# Altium PCB m-BLANC.PcbDoc (part 10 of 15) (continued)
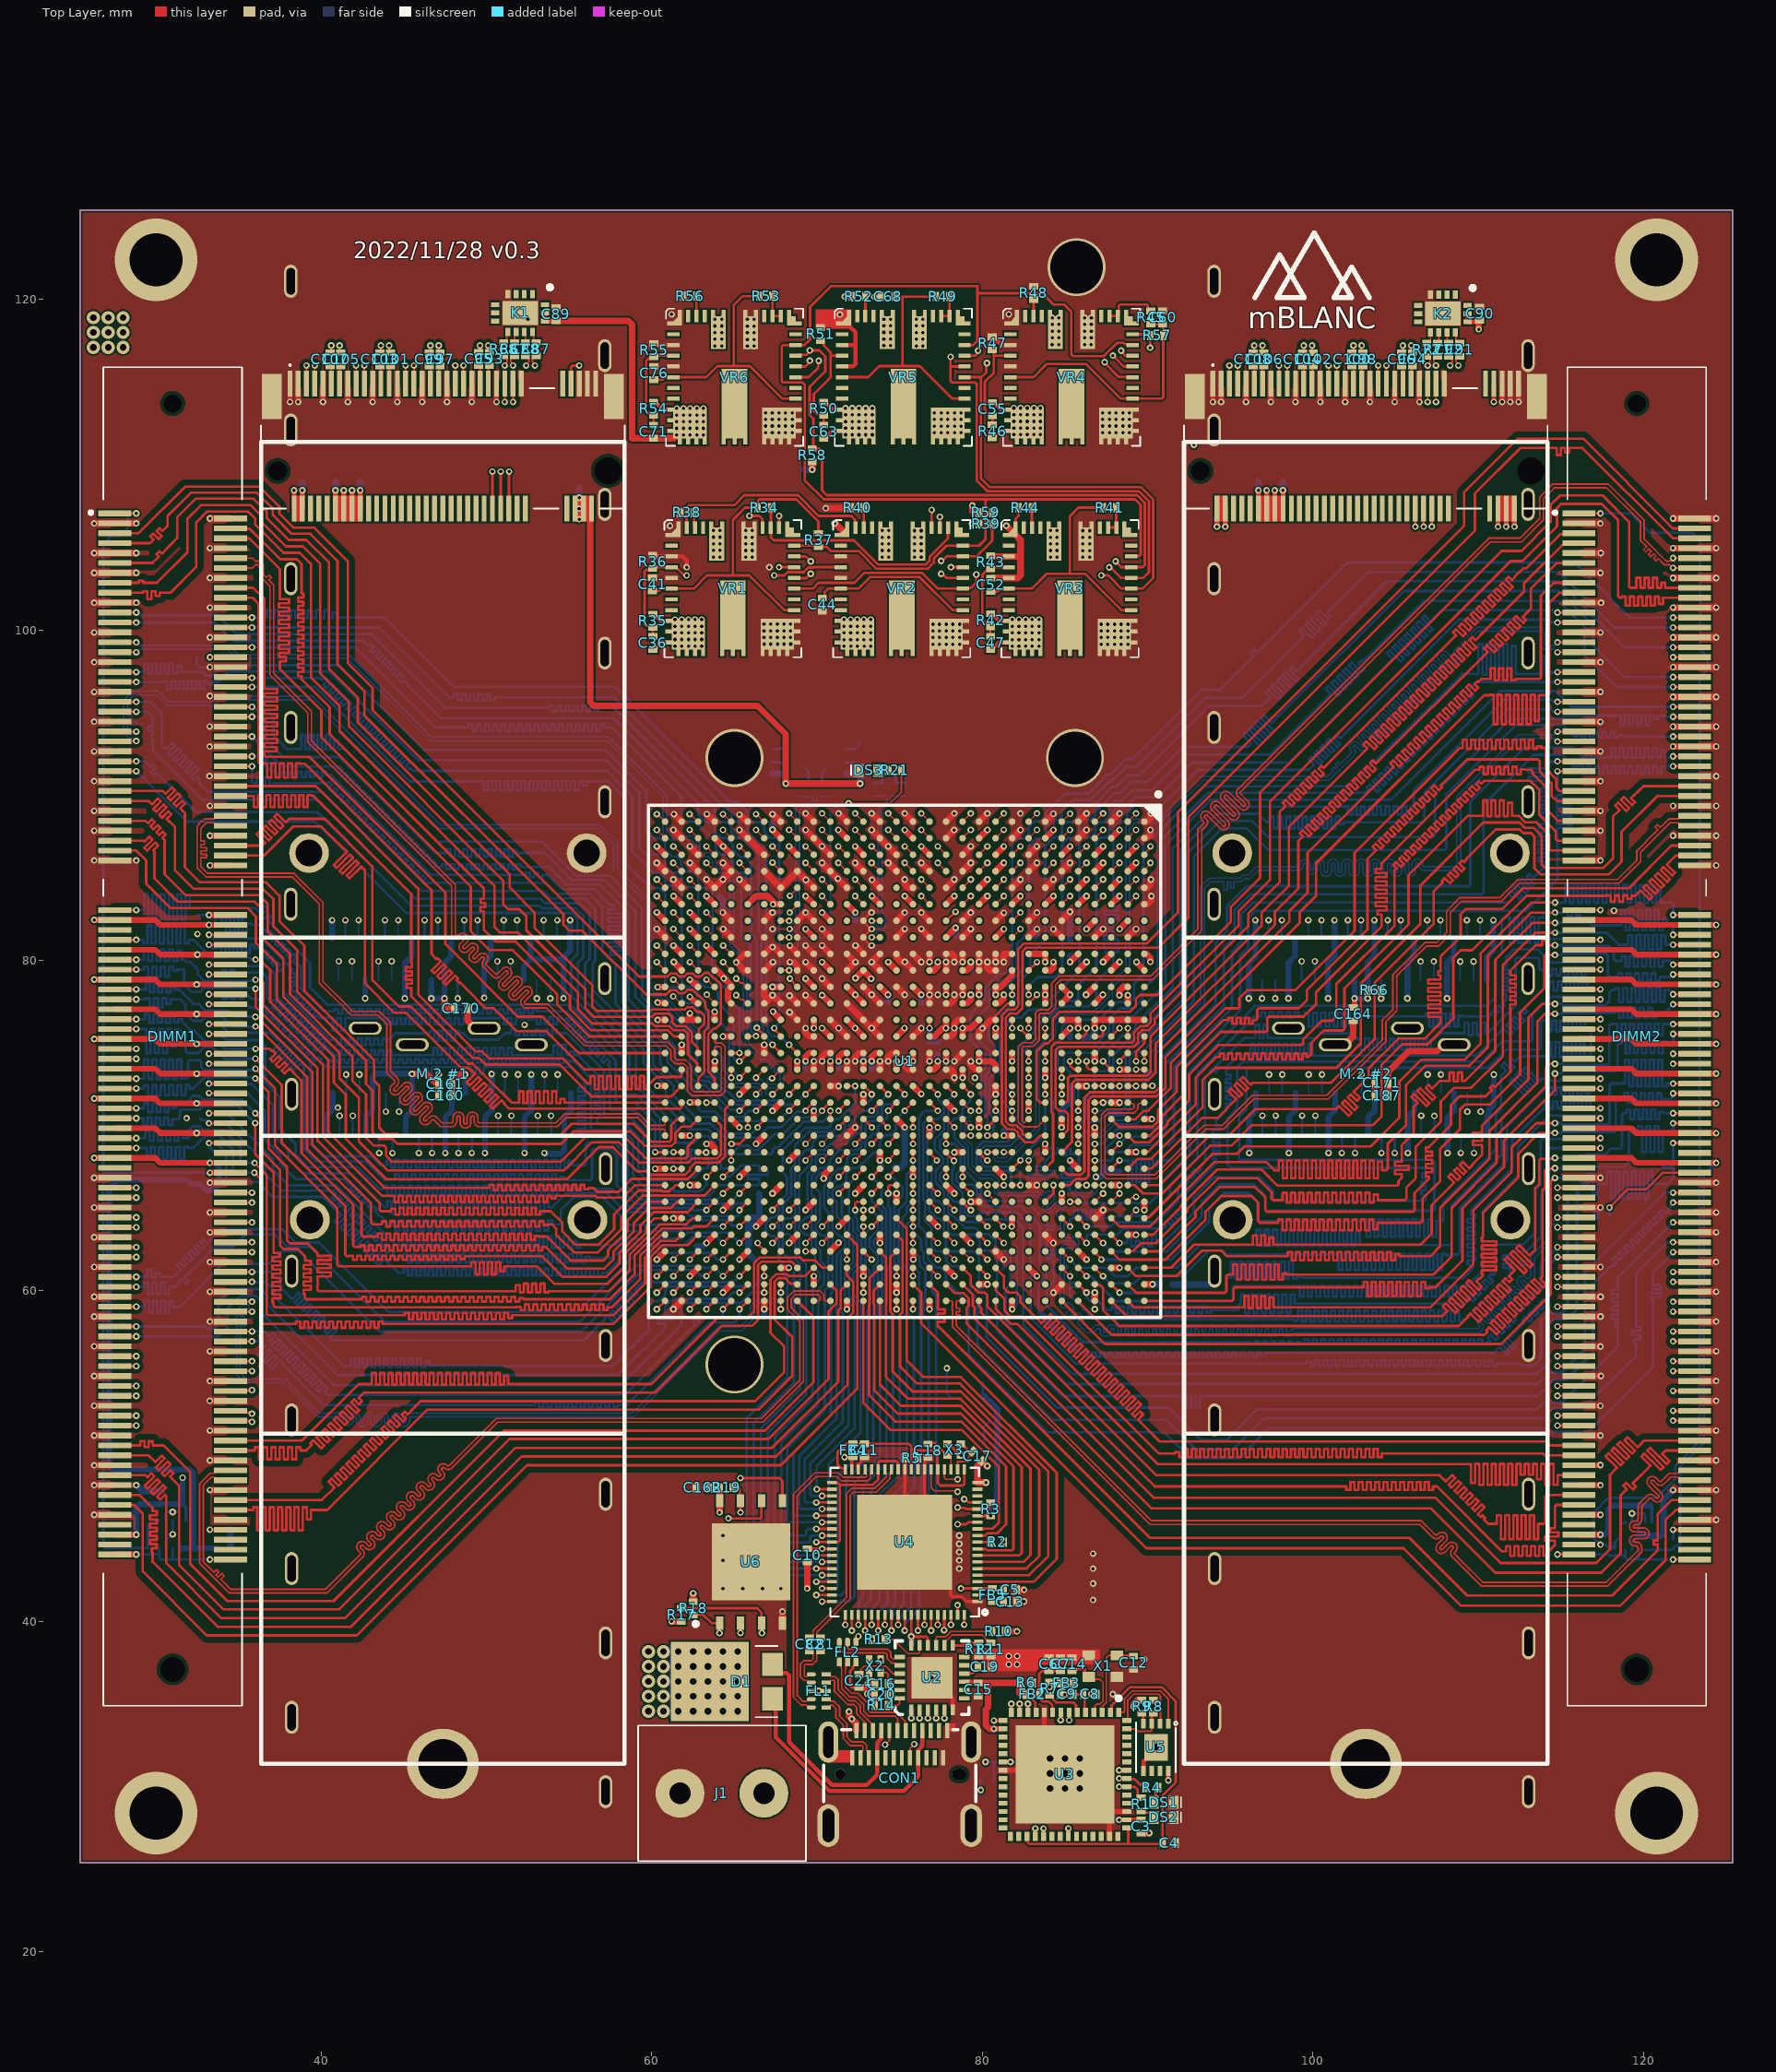
[diagram p0: Top Layer view]
## Nets (pads, with @x,y where several pads share a name; then routed paths per layer and width w, separated by ;. In a path a pad name is that pad's centre, name@x,y a point inside that pad or via, vN(x,y) a via of type N, cw(c..) or ccw(c..) an arc to the next point about the centre after c; other vN are vias at no path point) (continued)
  InLayer4 (GND) w0.15: v1(62.1,103.8) v1(67.1,103.8)
  Bottom Layer w0.15: U7.4@30.6,44.425 30.6,44.9 31,45.3 U7.8@31,46.125 ; R27.2@32.453,98.355 32.457,98.351 32.457,97.943 32.65,97.75 v1(33.25,97.75) ; v1@33.222,66.55 v1(33.25,66.55) ; v1(40.648,82.438) v1@40.649,82.437 ; 40.649,81.321 40.65,81.32 ; C142.1@66.1,61.9 C142.1@66.1,61.975 ; 66.513,64.443 66.558,64.398 ; C25.1@81.219,61.304 81.3,61.385 v1(81.3,61.9) ; C173.1@81.225,69.786 C173.1@81.3,69.711 ; v1(81.8,58.9) 82.084,59.184 82.084,62.646 81.959,62.771 C145.1@81.91,62.771 ; C182.1@83.208,81.384 C182.1@83.208,81.408 ; C129.1@85.3,81.19 C129.1@85.353,81.136 ; C172.1@87.404,67.493 C172.1@87.479,67.493 ; v1(101.3,82.44) v1@101.31,82.43 ; 101.31,81.33 101.32,81.32 ; U8.4@119.312,44.338 119.312,44.813 119.688,45.188 U8.11@119.712,45.188 U8.8@119.712,46.038
  Bottom Layer w0.35: 40.3,69.48 40.3,70.6 40.7,71 40.7,71.98 ; 40.649,81.321 v1@40.649,82.437 ; v1(42.65,77.7) 42.65,78.82 ; 42.7,69.48 42.7,70.205 42.7,70.52 43.1,70.92 43.1,72.95 43.305,73.155 45.441,73.155 45.463,73.133 v1(45.477,73.133) 45.477,73.119 45.5,73.096 45.5,71.98 45.5,70.92 45.1,70.52 45.1,69.48 ; v1(45.05,77.7) 45.05,78.82 45.05,79.86 45.45,80.26 45.45,81.32 ; v1(49.85,77.736) 49.85,78.82 49.85,79.86 50.25,80.26 50.25,81.32 ; v1(49.9,68.35) 49.9,69.48 ; 49.9,69.48 49.9,70.52 50.3,70.92 50.3,71.98 v1@50.3,73.124 ; 52.25,78.82 52.25,79.654 52.773,80.177 ; v1(52.3,68.35) 52.3,69.48 52.3,70.52 52.7,70.92 52.7,71.98 v1(52.7,73.1) ; 52.65,81.32 52.65,80.3 52.877,80.072 54.65,80.072 ; v1(53.5,68.35) 53.514,68.35 53.56,68.304 54.495,68.304 54.7,68.509 54.7,70.52 55.1,70.92 55.1,71.98 ; v1(54.65,77.711) 54.65,78.82 54.65,80.193 55.05,80.593 v1(55.05,82.44) ; C22.1@62.678,62.696 63.096,62.696 v1(63.3,62.9) ; C182.1@83.208,81.408 83.3,81.5 v1(83.3,81.9) ; C129.1@85.3,81.19 v1(85.3,82.944) ; v1(96.12,77.7) 96.12,78.82 96.12,79.86 96.52,80.26 96.52,81.32 v1(96.52,82.44) ; v1(96.15,68.35) 96.15,69.48 96.15,70.52 96.55,70.92 96.55,71.98 ; v1(98.52,77.7) 98.52,78.82 98.52,79.86 98.92,80.26 98.92,81.32 ; v1(98.55,68.35) 98.55,69.48 98.55,70.52 98.95,70.92 98.95,71.98 ; 100.91,78.83 100.91,79.87 101.31,80.27 101.31,81.33 v1@101.31,82.43 ; v1(100.92,77.7) 100.92,78.82 ; v1(100.95,68.35) 100.95,69.48 100.95,70.52 101.35,70.92 101.35,71.98 ; v1(105.72,77.7) 105.72,78.82 105.72,79.86 106.12,80.26 106.12,81.32 ; v1(105.75,68.35) 105.75,69.48 105.75,70.52 106.15,70.92 106.15,71.98 ; v1(108.12,77.7) 108.12,78.82 108.12,79.86 108.52,80.26 108.52,81.32 ; v1(108.15,68.35) 108.15,69.48 108.15,70.52 108.55,70.92 108.55,71.98 ; 110.52,78.82 110.52,80.2 110.915,80.595 110.92,80.595 v1(110.92,82.44) ; 110.55,69.48 110.55,70.578 110.642,70.67 110.642,70.947 110.95,71.255 v1(110.95,73.1)
  Bottom Layer w0.4: 27.75,101.65 v1@28.75,101.65 ; 27.85,103.45 v1@28.75,103.45 ; 27.85,104.65 v1@28.75,104.65 ; v1(28.8,48.25) 29.15,47.9 C31.2@30.3,47.9 ; C30.2@34.508,44.406 34.508,44.481 34.51,44.483 R33.2@34.51,45.556 ; C109.1@64.075,83.866 64.295,83.646 v1(64.295,82.904) ; C199.1@65.852,64.445 65.852,62.223 C142.1@66.1,61.975 ; C199.1@65.854,64.443 66.513,64.443 C141.1@66.513,65.884 ; 66.027,64.24 66.027,63.909 66.036,63.9 v1(66.3,63.9) ; C163.1@74.7,67.401 74.7,67.476 75.056,67.476 75.291,67.71 75.291,69.891 v1(75.3,69.9) ; v1(81.3,69.4) C173.1@81.3,69.711 ; v1(84.796,69.9) 84.796,70.971 85.404,71.578 C183.1@85.404,72.38 ; C181.1@86.103,75.316 86.103,75.355 86.544,75.355 86.8,75.611 v1(86.8,75.9) ; v1(86.865,66.904) 87.099,66.904 87.329,67.134 87.329,67.493 C172.1@87.404,67.493 ; 87.329,67.223 C198.1@88.298,67.223 ; C146.1@91.516,60.396 94,60.396 ; C174.1@117.147,64.486 117.147,64.797 v1(117.4,65.05) ; U8.11@119.712,45.188 121.057,45.188 121.212,45.343 121.212,47.362 v1(121.8,47.95) ; v1(121.8,92.95) 122.55,92.95 ; v1(121.8,94.15) 122.55,94.15 ; v1(121.8,95.95) 122.55,95.95 ; v1(121.8,97.75) 123.5,97.75 ; v1(121.8,99.55) 122.55,99.55 ; v1(121.8,101.35) 122.55,101.35 ; v1(121.8,103.15) 122.55,103.15 ; v1(121.8,104.95) 122.55,104.95
  other v1: 87.9,35.6 81.6,37.4 82.1,37.4 73.85,37.7 89.8,37.7 81.6,37.9 82.1,37.9 86.7,41.3 64.3,42 65.5,42 66.7,42 67.8,42 86.7,42.3 78.6,43.2 86.7,43.2 64.3,43.7 78.6,43.7 86.7,44.1 78.6,44.2 78.6,44.7 64.3,45.2 78.6,45.2 31,45.275 31.849,70.458 78.3,70.9 41,71.1 50.301,73.124 70.3,73.9 78.3,75.9 80.004,75.896 52.3,76.1 62.3,77.8 77.3,77.922 83.8,77.922 84.3,79.9 67.305,80.81 73.3,80.9 32.5,81.6 67.3,81.9 68.34,81.9 73.3,81.9 118.215,83.015 65.297,84.903 124.4,85.75 26.25,86.05 28.8,86.05 121.8,87.55 124.4,87.55 26.25,87.85 82.3,88.9 26.25,89.05 33.251,89.355 121.8,89.35 124.4,89.35 26.25,90.85 33.232,91.155 124.4,91.15 26.25,92.65 33.239,92.947 33.239,94.155 117.4,94.435 26.25,94.45 33.25,96 26.25,96.25 117.398,96.253 26.25,98.05 66.786,99.142 67.192,99.142 67.596,99.142 67.997,99.142 68.401,99.142 77.003,99.136 77.409,99.136 77.813,99.136 78.214,99.136 78.618,99.136 87.187,99.136 87.592,99.136 87.997,99.136 88.397,99.136 88.802,99.136 33.25,99.55 66.781,99.544 67.187,99.544 67.591,99.544 67.992,99.544 68.396,99.544 77.003,99.538 77.409,99.538 77.813,99.538 78.214,99.538 78.618,99.538 87.187,99.538 87.592,99.538 87.997,99.538 88.397,99.538 88.802,99.538 26.25,99.85 66.781,99.947 67.187,99.947 67.591,99.947 67.992,99.947 68.396,99.947 77.003,99.941 77.409,99.941 77.813,99.941 78.214,99.941 78.618,99.941 87.187,99.941 87.592,99.941 87.997,99.941 88.397,99.941 88.802,99.941 66.781,100.35 67.187,100.35 67.591,100.35 67.992,100.35 68.396,100.35 77.003,100.344 77.409,100.344 77.813,100.344 78.214,100.344 78.618,100.344 87.187,100.344 87.592,100.344 87.997,100.344 88.397,100.344 88.802,100.344 33.25,101.35 28.8,101.65 33.25,103.15 28.8,103.45 65.677,104.403 66.078,104.403 75.899,104.4 76.3,104.4 86.083,104.398 86.483,104.398 28.8,104.65 65.677,104.806 66.078,104.806 75.899,104.8 76.3,104.8 86.083,104.8 86.483,104.8 33.25,104.95 65.677,105.209 66.078,105.209 75.899,105.203 76.3,105.203 86.083,105.203 86.483,105.203 65.677,105.612 66.078,105.612 75.899,105.606 76.3,105.606 86.083,105.606 86.483,105.606 65.677,106.014 66.078,106.014 75.899,106.008 76.3,106.008 86.083,106.008 86.483,106.008 61.1,106.3 28.8,106.45 67.286,111.936 67.69,111.936 68.091,111.936 68.495,111.936 77.102,111.93 77.508,111.93 77.912,111.93 78.313,111.93 78.717,111.93 87.285,111.936 87.691,111.936 88.095,111.936 88.496,111.936 88.9,111.936 68.091,112.339 68.495,112.339 77.102,112.333 77.508,112.333 77.912,112.333 78.313,112.333 78.717,112.333 87.285,112.339 87.691,112.339 88.095,112.339 88.496,112.339 88.9,112.339 77.102,112.735 77.508,112.735 77.912,112.735 78.313,112.735 78.717,112.735 66.88,112.742 67.286,112.742 68.091,112.742 68.495,112.742 87.285,112.742 87.691,112.742 88.095,112.742 88.496,112.742 88.9,112.742 77.102,113.138 77.508,113.138 77.912,113.138 78.313,113.138 78.717,113.138 66.88,113.145 67.286,113.145 67.69,113.145 68.091,113.145 68.495,113.145 87.285,113.145 87.691,113.145 88.095,113.145 88.496,113.145 88.9,113.145 65.78,117.18 66.181,117.18 75.998,117.192 76.399,117.192 86.181,117.276 86.582,117.276 65.78,117.583 66.181,117.583 75.998,117.595 76.399,117.595 86.19,117.678 86.591,117.678 65.78,117.986 66.181,117.986 75.998,117.997 76.399,117.997 86.19,118.081 86.591,118.081 65.78,118.389 66.181,118.389 75.998,118.4 76.399,118.4 86.19,118.484 86.591,118.484 52.5,118.8 65.78,118.791 66.181,118.791 75.998,118.803 76.399,118.803 86.19,118.886 86.591,118.886 71.376,119.085 61.2,119.1 81.6,119.1
  other v2: 84.1,29.9 85,29.9 85.9,29.9 84.1,30.8 85,30.8 85.9,30.8 84.1,31.7 85,31.7 85.9,31.7 90.5,32.4
  other v3: 30,28.4 120.8,28.4 30,122.4 120.8,122.4
  other v4: 65,55.55 65,92.25 85.6,92.25 85.7,121.95
JTAG_TCK: U1.H12 U3.12 | length 48.7
  Top Layer w0.15: U3.12@82.747,34.5 82.752,34.505 82.752,35.007 v1(82.757,35.012) ; U1.H12@82.8,77.4 82.808,77.4 83.3,77.892 v1(83.3,77.922)
  InLayer1 (GND) w0.1: v1(82.757,35.012) 82.8,35.056 82.8,35.823 83.55,36.573 83.55,50.199 81.354,52.394 81.354,60.368 82.67,61.684 82.67,65.438 81.882,66.226 81.882,69.818 81.389,70.311 81.389,71.984 81.655,72.25 81.867,72.25 82.425,72.808 82.425,74.446 82.929,74.95 83.193,74.95 83.593,75.35 84.028,75.35 84.35,75.672 84.35,76.357 83.3,77.407 v1(83.3,77.922)
JTAG_TDI: U1.H11 U3.13 | length 48.7
  Top Layer w0.15: U3.13@82.247,34.5 82.252,34.505 82.252,35.009 v1(82.257,35.014) ; v1(82.8,77.922) U1.H11@82.8,78.4
  InLayer1 (GND) w0.1: v1(82.257,35.014) 82.257,35.372 82.6,35.715 82.6,35.906 83.35,36.656 83.35,50.116 81.154,52.312 81.154,60.451 82.47,61.766 82.47,65.352 81.682,66.14 81.682,69.718 81.189,70.211 81.189,72.067 81.572,72.45 81.784,72.45 82.225,72.891 82.225,74.529 82.846,75.15 83.111,75.15 83.511,75.55 83.945,75.55 84.15,75.755 84.15,76.202 84,76.352 84,76.354 82.848,77.506 82.848,77.874 v1(82.8,77.922)
JTAG_TDO: U1.J13 U3.14 | length 49.8
  Top Layer w0.15: U3.14@81.747,34.5 81.749,34.502 81.749,35.015 v1(81.751,35.017) ; v1@81.8,75.944 U1.J13@81.8,76.4
  InLayer1 (GND) w0.1: v1(81.751,35.017) 81.751,34.578 81.161,33.988 81.161,33.197 81.064,33.1 80.388,33.1 80.3,33.188 80.3,34.164 81.08,34.943 81.08,35.124 81.601,35.645 81.963,35.645 82.2,35.882 82.2,36.072 82.95,36.822 82.95,49.95 80.7,52.2 80.7,70.1 80.25,70.55 80.25,73.128 81.8,74.678 v1(81.8,75.9) ; v1@81.8,75.944 v1@81.843,75.944
JTAG_TMS: U1.J11 U3.15 | length 49.3
  Top Layer w0.15: v1(80.7,34) U3.15@81.247,34 ; v1(81.8,77.922) U1.J11@81.8,78.4
  InLayer1 (GND) w0.1: v1(80.7,34) 81.28,34.58 81.28,35.041 81.684,35.445 82.047,35.445 82.4,35.798 82.4,35.989 83.15,36.739 83.15,50.033 80.9,52.283 80.9,70.189 80.453,70.636 80.453,70.761 80.45,70.764 80.45,73.045 82.755,75.35 82.969,75.35 83.15,75.531 83.15,76.045 83.028,76.167 83.028,76.972 82.5,77.5 82.1,77.5 81.848,77.752 81.848,77.874 v1(81.8,77.922)
NetC4_2: C4.2 U3.2 U3.31 U3.43 | length 23.6
  Top Layer w0.15: U3.31@82.697,27 82.697,26.676 82.844,26.528 C4.2@90.9,26.528 ; U3.2@87.747,34.5 87.822,34.575 87.822,34.922 88.925,36.025 90.853,36.025 91.7,35.178 91.7,30.255 90.9,29.455 C4.2@90.9,26.6 ; U3.43@88.747,27.5 88.753,27.5 88.828,27.425 88.828,26.569
NetC5_2: C5.2 FB5.1 U4.3 U4.30 U4.33 U4.39 U4.48 | length 23
  Top Layer w0.15: v1(69.95,44.8) U4.48@70.9,44.8 71.264,44.8 71.376,44.913 71.376,48.275 ; U4.39@70.9,48.4 70.925,48.375 71.276,48.375 71.376,48.275 ; U4.30@74.9,49.2 74.875,49.225 74.875,49.612 74.787,49.7 73.794,49.7 73.706,49.612 73.706,49.206 U4.33@73.7,49.2 73.7,48.6 73.375,48.275 71.376,48.275 ; v1(78.7,42) U4.3@79.7,42 ; U4.3@79.7,42 FB5.1@80.61,41.999 ; FB5.1@80.61,41.999 80.714,41.895 81.237,41.895 C5.2@81.272,41.86
  InLayer1 (GND) w0.15: v1(69.95,44.8) 72.9,44.8 75.7,42 v1(78.7,42)
NetC6_2: C6.2 C7.2 FB2.1 U3.9 | length 4.2
  Top Layer w0.15: FB2.1@83.439,35.587 83.439,36.839 83.61,37.01 C6.2@84.025,37.01 C7.2@84.725,37.01 ; FB2.1@83.445,35.536 83.564,35.417 83.564,35.248 83.651,35.16 83.996,35.16 84.243,34.912 84.243,34.503 U3.9@84.247,34.5
NetC8_2: C8.2 C9.2 FB3.1 U3.5 | length 2.4
  Top Layer w0.15: C9.2@85.494,35.59 FB3.1@85.494,36.282 ; C9.2@85.495,35.589 C8.2@86.095,35.589 86.18,35.504 86.18,34.567 U3.5@86.247,34.5
NetC11_2: C11.2 FB4.2 U4.20 U4.24 U4.28 U4.38 | length 13.5
  Top Layer w0.15: U4.38@71.7,49.2 71.675,49.225 71.675,49.264 71.463,49.264 71.234,49.494 71.234,50.222 71.743,50.731 72.153,50.731 FB4.2@72.171,50.75 C11.2@72.863,50.75 75.55,50.75 75.7,50.6 75.7,50.3 ; U4.28@75.7,49.2 75.7,50.3 ; U4.20@78.9,49.2 78.9,48.313 78.812,48.225 77.463,48.225 77.3,48.388 U4.24@77.3,49.2 77.275,49.225 77.275,50.191 77.12,50.345 75.745,50.345 75.7,50.3
NetC12_1: C12.1 U3.3 X1.1 | length 5.2
  Top Layer w0.1: U3.3@87.247,34.5 87.251,34.504 87.251,34.851 87.5,35.1 87.5,37.8 87.65,37.95 X1.1@88.15,37.95
  Top Layer w0.15: X1.1@88.15,37.95 88.897,37.95 89.097,37.75 C12.1@89.147,37.75
NetC13_1: C13.1 FB5.2 U4.2 | length 1.9
  Top Layer w0.15: U4.2@79.7,41.6 80.5,41.6 80.61,41.49 FB5.2@80.61,41.199 80.678,41.266 C13.1@81.268,41.266
NetC14_2: C14.2 U3.4 X1.3 | length 4.5
  Top Layer w0.1: X1.3@86.6,36.5 87.112,36.5 87.3,36.312 87.3,35.183 87.117,35 86.924,35 86.822,34.898 U3.4@86.822,34.575
  Top Layer w0.15: C14.2@85.425,37.01 85.515,37.1 86.2,37.1 86.2,36.875 86.425,36.65 X1.3@86.45,36.65 X1.3@86.6,36.5 ; U3.4@86.747,34.5 U3.4@86.822,34.575
NetC16_2: C16.2 U2.22 X2.3 | length 1.8
  Top Layer w0.1: X2.3@73.85,36.9 74.2,36.9 74.288,36.812 C16.2@74.288,36.239 ; C16.2@74.396,36.348 U2.22@75.003,36.348
  Top Layer w0.15: C16.2@74.288,36.239 C16.2@74.396,36.348
NetC17_1: C17.1 U4.21 X3.1 | length 2.6
  Top Layer w0.1: U4.21@78.5,49.2 78.5,49.675 79.102,49.675 79.161,49.734 79.161,49.933 79.364,50.136 C17.1@79.229,50.271
  Top Layer w0.15: X3.1@78.7,50.75 78.75,50.75 C17.1@79.229,50.271
NetC18_1: C18.1 U4.22 X3.3 | length 2.5
  Top Layer w0.1: X3.3@77.9,50.05 77.95,50.05 78.1,49.9 U4.22@78.1,49.2
  Top Layer w0.15: C18.1@76.686,50.832 C18.1@76.688,50.829 ; C18.1@76.692,50.798 77.102,50.798 77.725,50.175 77.85,50.05 X3.3@77.9,50.05
NetC19_1: C19.1 U2.10 | length 1
  Top Layer w0.15: U2.10@78.903,36.848 79.402,36.848 79.609,37.055 79.72,37.166 C19.1@79.72,37.201
NetC20_1: C20.1 U2.23 | length 0.8
  Top Layer w0.1: C20.1@74.377,35.662 74.625,35.662 U2.23@74.81,35.848
  Top Layer w0.15: C20.1@74.288,35.573 C20.1@74.377,35.662 ; U2.23@74.81,35.848 U2.23@75.003,35.848
NetC21_2: C21.2 U2.21 X2.1 | length 3.4
  Top Layer w0.1: C21.2@72.5,36.76 72.646,36.906 72.646,37.091 72.854,37.3 73.145,37.3 ; X2.1@73.15,37.7 73.145,37.695 73.145,37.3 ; U2.21@75.003,36.848 74.586,36.848 74.134,37.3 73.145,37.3
NetC36_2: C36.2 R35.1 R36.1 VR1.4 VR2.4 | length 16.7
  Top Layer w0.15: C36.2@60.052,99.613 R35.1@60.052,100.155 59.968,100.239 59.643,100.239 59.555,100.327 59.555,103.544 59.643,103.632 59.957,103.632 R36.1@60.047,103.722 60.125,103.8 61.45,103.8 61.902,103.348 62.052,103.348 v1(62.1,103.3) ; v1(67.4,103.3) 68.003,103.3 68.203,103.5 69.189,103.5 69.466,103.777 69.766,103.777 69.789,103.8 VR2.4@71.42,103.8
  InLayer4 (GND) w0.15: v1(62.1,103.3) v1(67.4,103.3)
NetC41_2: C41.2 R34.1 R37.1 VR1.6 VR1.26 | length 20.4
  Top Layer w0.15: C41.2@60.036,102.353 60.052,102.369 60.448,102.369 60.579,102.5 VR1.6@61.2,102.5 62.536,102.5 63.336,103.3 64.9,103.3 ; VR1.26@68.6,101.2 68,101.2 65.9,103.3 64.9,103.3 ; R37.1@70.076,105.831 70.076,106.557 68.733,107.9 66.5,107.9 66.4,107.8 R34.1@66.4,107.401 65.639,107.401 64.9,106.662 64.9,103.3
NetC44_2: C44.2 VR2.6 VR2.26 | length 10
  Top Layer w0.15: C44.2@70.311,101.925 70.334,101.925 70.459,102.05 70.459,102.294 70.664,102.5 VR2.6@71.42,102.5 72.5,102.5 73.2,103.2 76.2,103.2 78.2,101.2 VR2.26@78.82,101.2
NetC47_2: C47.2 R42.1 R43.1 VR3.4 | length 5.7
  Top Layer w0.15: C47.2@80.473,99.613 80.47,99.615 80.47,100.192 80.423,100.192 80,100.615 80,103.198 80.004,103.202 80.004,103.343 80.236,103.575 80.375,103.575 R43.1@80.5,103.7 ; R43.1@80.58,103.7 80.58,103.78 81.58,103.78 VR3.4@81.6,103.8
NetC52_2: C52.2 R41.1 VR3.6 VR3.26 | length 15.5
  Top Layer w0.15: C52.2@80.509,102.325 80.925,102.325 81.05,102.45 81.55,102.45 VR3.6@81.6,102.5 83,102.5 83.9,103.4 85.3,103.4 ; R41.1@87.298,107.401 85.816,107.401 85.3,106.885 85.3,103.4 ; VR3.26@89,101.2 88.4,101.2 86.2,103.4 85.3,103.4
NetC55_2: C55.2 R46.1 R47.1 VR4.4 | length 6
  Top Layer w0.15: R47.1@80.6,116.943 80.7,116.843 80.7,116.622 ; R46.1@80.602,112.423 80.609,112.43 C55.2@80.609,112.963 80.534,112.963 80.152,113.344 80.152,115.016 80.7,115.564 80.7,116.622 ; VR4.4@81.7,116.593 80.729,116.593 80.7,116.622
NetC60_2: C60.2 R45.1 R57.1 VR4.6 VR4.26 | length 15.6
  Top Layer w0.15: VR4.6@81.7,115.293 83.093,115.293 83.9,116.1 86.262,116.1 88.369,113.993 VR4.26@89.1,113.993 89.175,113.993 89.179,113.996 90.496,113.996 90.5,114 90.858,114 90.945,114.088 90.945,118.457 C60.2@90.904,118.499 ; R45.1@90.2,118.5 C60.2@90.904,118.499
NetC63_2: C63.2 R50.1 R51.1 VR5.4 | length 7
  Top Layer w0.15: R51.1@70.2,117.5 70.275,117.5 70.4,117.375 70.4,117.217 70.809,116.808 70.809,116.6 ; C63.2@70.394,112.4 R50.1@70.394,113 70.308,113.087 69.959,113.087 69.8,113.246 69.8,114.273 70.809,115.282 70.809,116.6 ; R50.1@70.523,113.075 R50.1@70.532,113.084 ; VR5.4@71.52,116.593 70.816,116.593 70.809,116.6
NetC68_2: C68.2 R49.1 VR5.6 VR5.26 | length 15.2
  Top Layer w0.15: VR5.6@71.52,115.293 73.093,115.293 73.768,115.968 76.212,115.968 78.187,113.993 VR5.26@78.92,113.993 ; C68.2@74.678,120.176 C68.2@74.678,120.176 75.169,120.174 ; C68.2@74.758,120.01 C68.2@74.791,119.977 ; 75.169,115.993 75.169,120.174 ; R49.1@77.195,120.174 75.169,120.174
NetC71_2: C71.2 R54.1 R55.1 VR6.4 | length 5.9
  Top Layer w0.15: C71.2@60.1,112.4 R54.1@60.1,113 59.975,113.125 59.762,113.125 59.65,113.237 59.65,116.284 59.784,116.418 59.999,116.418 R55.1@60.124,116.543 60.173,116.593 VR6.4@61.225,116.593
NetC76_2: C76.2 R53.1 VR6.6 VR6.26 | length 15.2
  Top Layer w0.15: C76.2@60.124,115.143 60.643,115.143 60.788,115.288 61.295,115.288 VR6.6@61.3,115.293 63.293,115.293 63.968,115.968 64.95,115.968 ; R53.1@66.5,120.2 65.5,120.2 64.95,119.65 64.95,115.968 ; VR6.26@68.7,113.993 67.907,113.993 65.932,115.968 64.95,115.968
NetC85_1: C85.1 R64.1 Y2.5 | length 1.6
  Bottom Layer w0.15: C85.1@68.914,90.723 69.424,90.723 R64.1@69.489,90.658 69.489,91.411 Y2.5@69.3,91.6
NetC86_1: C86.1 R64.2 Y2.4 | length 1.6
  Bottom Layer w0.15: Y2.4@70.5,91.6 70.289,91.389 R64.2@70.289,90.658 70.354,90.723 C86.1@70.855,90.723
NetC87_2: C87.2 K1.11 | length 0.7
  Top Layer w0.1: K1.11@52.777,118.031 52.852,117.956 C87.2@52.852,117.539
  Top Layer w0.15: C87.2@52.844,117.523 52.969,117.398 C87.2@52.993,117.398
NetC88_2: C88.2 K1.10 | length 0.7
  Top Layer w0.1: C88.2@52.342,117.398 K1.10@52.342,117.966
  Top Layer w0.15: K1.10@52.277,118.031 K1.10@52.342,117.966
NetC91_2: C91.2 K2.11 | length 1
  Top Layer w0.1: K2.11@108.62,117.992 108.655,117.957 108.655,117.496 108.805,117.346 C91.2@108.878,117.346
  Top Layer w0.15: C91.2@108.678,117.471 108.803,117.346 C91.2@108.805,117.346
NetC92_2: C92.2 K2.10 | length 0.7
  Top Layer w0.1: K2.10@108.12,117.992 108.129,117.983 108.129,117.447 C92.2@108.221,117.355
NetC93_2: "M.2 #1.49" C93.2 | length 1.1
  Top Layer w0.1: 50.1,114.9 C93.2@50.1,115.922
  Top Layer w0.15: C93.2@50.1,115.922 C93.2@50.17,115.993
NetC94_2: "M.2 #2.49" C94.2 | length 1.2
  Top Layer w0.1: 105.919,114.931 105.95,114.9 C94.2@105.95,115.906
  Top Layer w0.15: C94.2@105.95,115.906 C94.2@106.024,115.98
NetC95_2: "M.2 #1.47" C95.2 | length 1.1
  Top Layer w0.1: 49.6,114.9 C95.2@49.6,115.913
  Top Layer w0.15: C95.2@49.52,115.993 C95.2@49.6,115.913
NetC96_2: "M.2 #2.47" C96.2 | length 1.1
  Top Layer w0.1: 105.45,114.9 C96.2@105.45,115.904
  Top Layer w0.15: C96.2@105.374,115.98 C96.2@105.45,115.904
NetC97_2: "M.2 #1.37" C97.2 | length 1.1
  Top Layer w0.1: 47.1,114.9 C97.2@47.1,115.901
  Top Layer w0.15: C97.2@47.1,115.901 C97.2@47.181,115.982
NetC98_2: "M.2 #2.37" C98.2 | length 1.1
  Top Layer w0.1: 102.95,114.9 C98.2@102.95,115.912
  Top Layer w0.15: C98.2@102.95,115.912 C98.2@103.018,115.98
NetC99_2: "M.2 #1.35" C99.2 | length 1.1
  Top Layer w0.1: 46.6,114.9 C99.2@46.6,115.907
  Top Layer w0.15: C99.2@46.525,115.982 C99.2@46.6,115.907
NetC100_2: "M.2 #2.35" C100.2 | length 1.1
  Top Layer w0.1: 102.45,114.9 C100.2@102.45,115.894
  Top Layer w0.15: C100.2@102.364,115.98 C100.2@102.45,115.894
NetC101_2: "M.2 #1.25" C101.2 | length 1.1
  Top Layer w0.1: 44.1,114.9 C101.2@44.1,115.899
  Top Layer w0.15: C101.2@44.1,115.899 C101.2@44.184,115.983
NetC102_2: "M.2 #2.25" C102.2 | length 1.1
  Top Layer w0.1: 99.95,114.9 C102.2@99.95,115.903
  Top Layer w0.15: C102.2@99.95,115.903 C102.2@100.027,115.98
NetC103_2: "M.2 #1.23" C103.2 | length 1.1
  Top Layer w0.1: 43.6,114.9 C103.2@43.6,115.918
  Top Layer w0.15: C103.2@43.533,115.985 C103.2@43.6,115.918
NetC104_2: "M.2 #2.23" C104.2 | length 1.1
  Top Layer w0.1: 99.45,114.9 C104.2@99.45,115.9
  Top Layer w0.15: C104.2@99.37,115.98 C104.2@99.45,115.9
NetC105_2: "M.2 #1.13" C105.2 | length 1.1
  Top Layer w0.1: 41.1,114.9 C105.2@41.1,115.902
  Top Layer w0.15: C105.2@41.1,115.902 C105.2@41.178,115.98
NetC106_2: "M.2 #2.13" C106.2 | length 1.1
  Top Layer w0.1: 96.95,114.9 C106.2@96.95,115.902
  Top Layer w0.15: C106.2@96.95,115.902 C106.2@97.028,115.98
NetC107_2: "M.2 #1.11" C107.2 | length 1.1
  Top Layer w0.1: 40.6,114.9 C107.2@40.6,115.905
  Top Layer w0.15: C107.2@40.526,115.979 C107.2@40.6,115.905
NetC108_2: "M.2 #2.11" C108.2 | length 1.1
  Top Layer w0.1: 96.45,114.9 C108.2@96.45,115.906
  Top Layer w0.15: C108.2@96.376,115.98 C108.2@96.45,115.906
NetC177_1: C177.1 R77.1 Y3.5 | length 1.6
  Bottom Layer w0.15: C177.1@73.389,90.746 73.888,90.746 R77.1@73.958,90.676 73.958,91.381 Y3.5@73.75,91.589
NetC178_1: C178.1 R77.2 Y3.4 | length 1.6
  Bottom Layer w0.15: Y3.4@74.95,91.589 74.758,91.396 R77.2@74.758,90.676 74.832,90.75 C178.1@75.328,90.75
NetCON1_A4: CON1.A4 CON1.B9 D1.1 | length 14.7
  Top Layer w0.25: D1.1@67.3,37.4 67.3,37.393 67.81,36.883 68.148,36.883 68.295,36.737 68.295,35.308 68.3,35.303 68.3,32.7 70.898,30.102 73.002,30.102 73.625,30.725 CON1.B9@73.625,31.749 73.625,32.653 73.872,32.9 CON1.A4@73.872,33.393
NetCON1_A5: CON1.A5 R61.2 | length 1.3
  Top Layer w0.1: v1(74.116,32.543) 74.366,32.792 74.366,33.387 CON1.A5@74.372,33.393
  Bottom Layer w0.15: R61.2@73.764,32.567 73.788,32.543 v1(74.116,32.543)
NetCON1_A9: CON1.A9 CON1.B4 D1.2 | length 15.5
  Top Layer w0.25: D1.2@67.5,35.32 67.5,32.986 70.743,29.743 75.243,29.743 76.125,30.625 CON1.B4@76.125,31.749 76.125,32.224 76.372,32.471 CON1.A9@76.372,33.393
NetCON1_B5: CON1.B5 R60.2 | length 1.3
  Top Layer w0.1: CON1.B5@75.625,31.749 75.631,31.754 75.631,32.33 v1(75.875,32.574)
  Bottom Layer w0.15: v1(75.875,32.574) 76.22,32.574 R60.2@76.228,32.567
NetD2_2: D2.2 J1.2
NetDS1_1: DS1.1 R4.1 | length 1
  Top Layer w0.15: DS1.1@90.371,29.057 90.5,29.186 90.5,29.817 R4.1@90.624,29.941
NetDS2_1: DS2.1 R1.1 | length 1
  Top Layer w0.15: R1.1@89.6,28.486 89.656,28.431 90.146,28.431 90.371,28.206 DS2.1@90.371,28.139
NetDS3_1: DS3.1 R21.1 | length 0.4
  Top Layer w0.15: DS3.1@73.8,91.5 R21.1@74.2,91.5
NetFB1_1: FB1.1 U1.P13 | length 1.8
  Top Layer w0.15: v1(76.8,75.9) U1.P13@76.8,76.4
  Bottom Layer w0.4: v1(76.8,75.9) 76.8,75.11 FB1.1@77.296,75.11
NetK1_8: K1.8 R68.2 | length 0.7
  Top Layer w0.1: R68.2@51.035,117.398 51.06,117.398 51.21,117.548 51.21,117.964 K1.8@51.277,118.031
NetK1_9: K1.9 R67.2 | length 0.7
  Top Layer w0.1: R67.2@51.685,117.396 51.693,117.403 51.693,117.947 K1.9@51.777,118.031
NetK2_8: K2.8 R72.2 | length 1
  Top Layer w0.1: R72.2@106.864,117.346 106.887,117.346 106.939,117.346 106.956,117.346 107.108,117.498 107.108,117.981 K2.8@107.12,117.992
  Top Layer w0.15: R72.2@106.939,117.346 R72.2@107.064,117.471